# EAGLE board Mk4 Final a Panel score (EAGLE 9.0.1), part 11 of 24
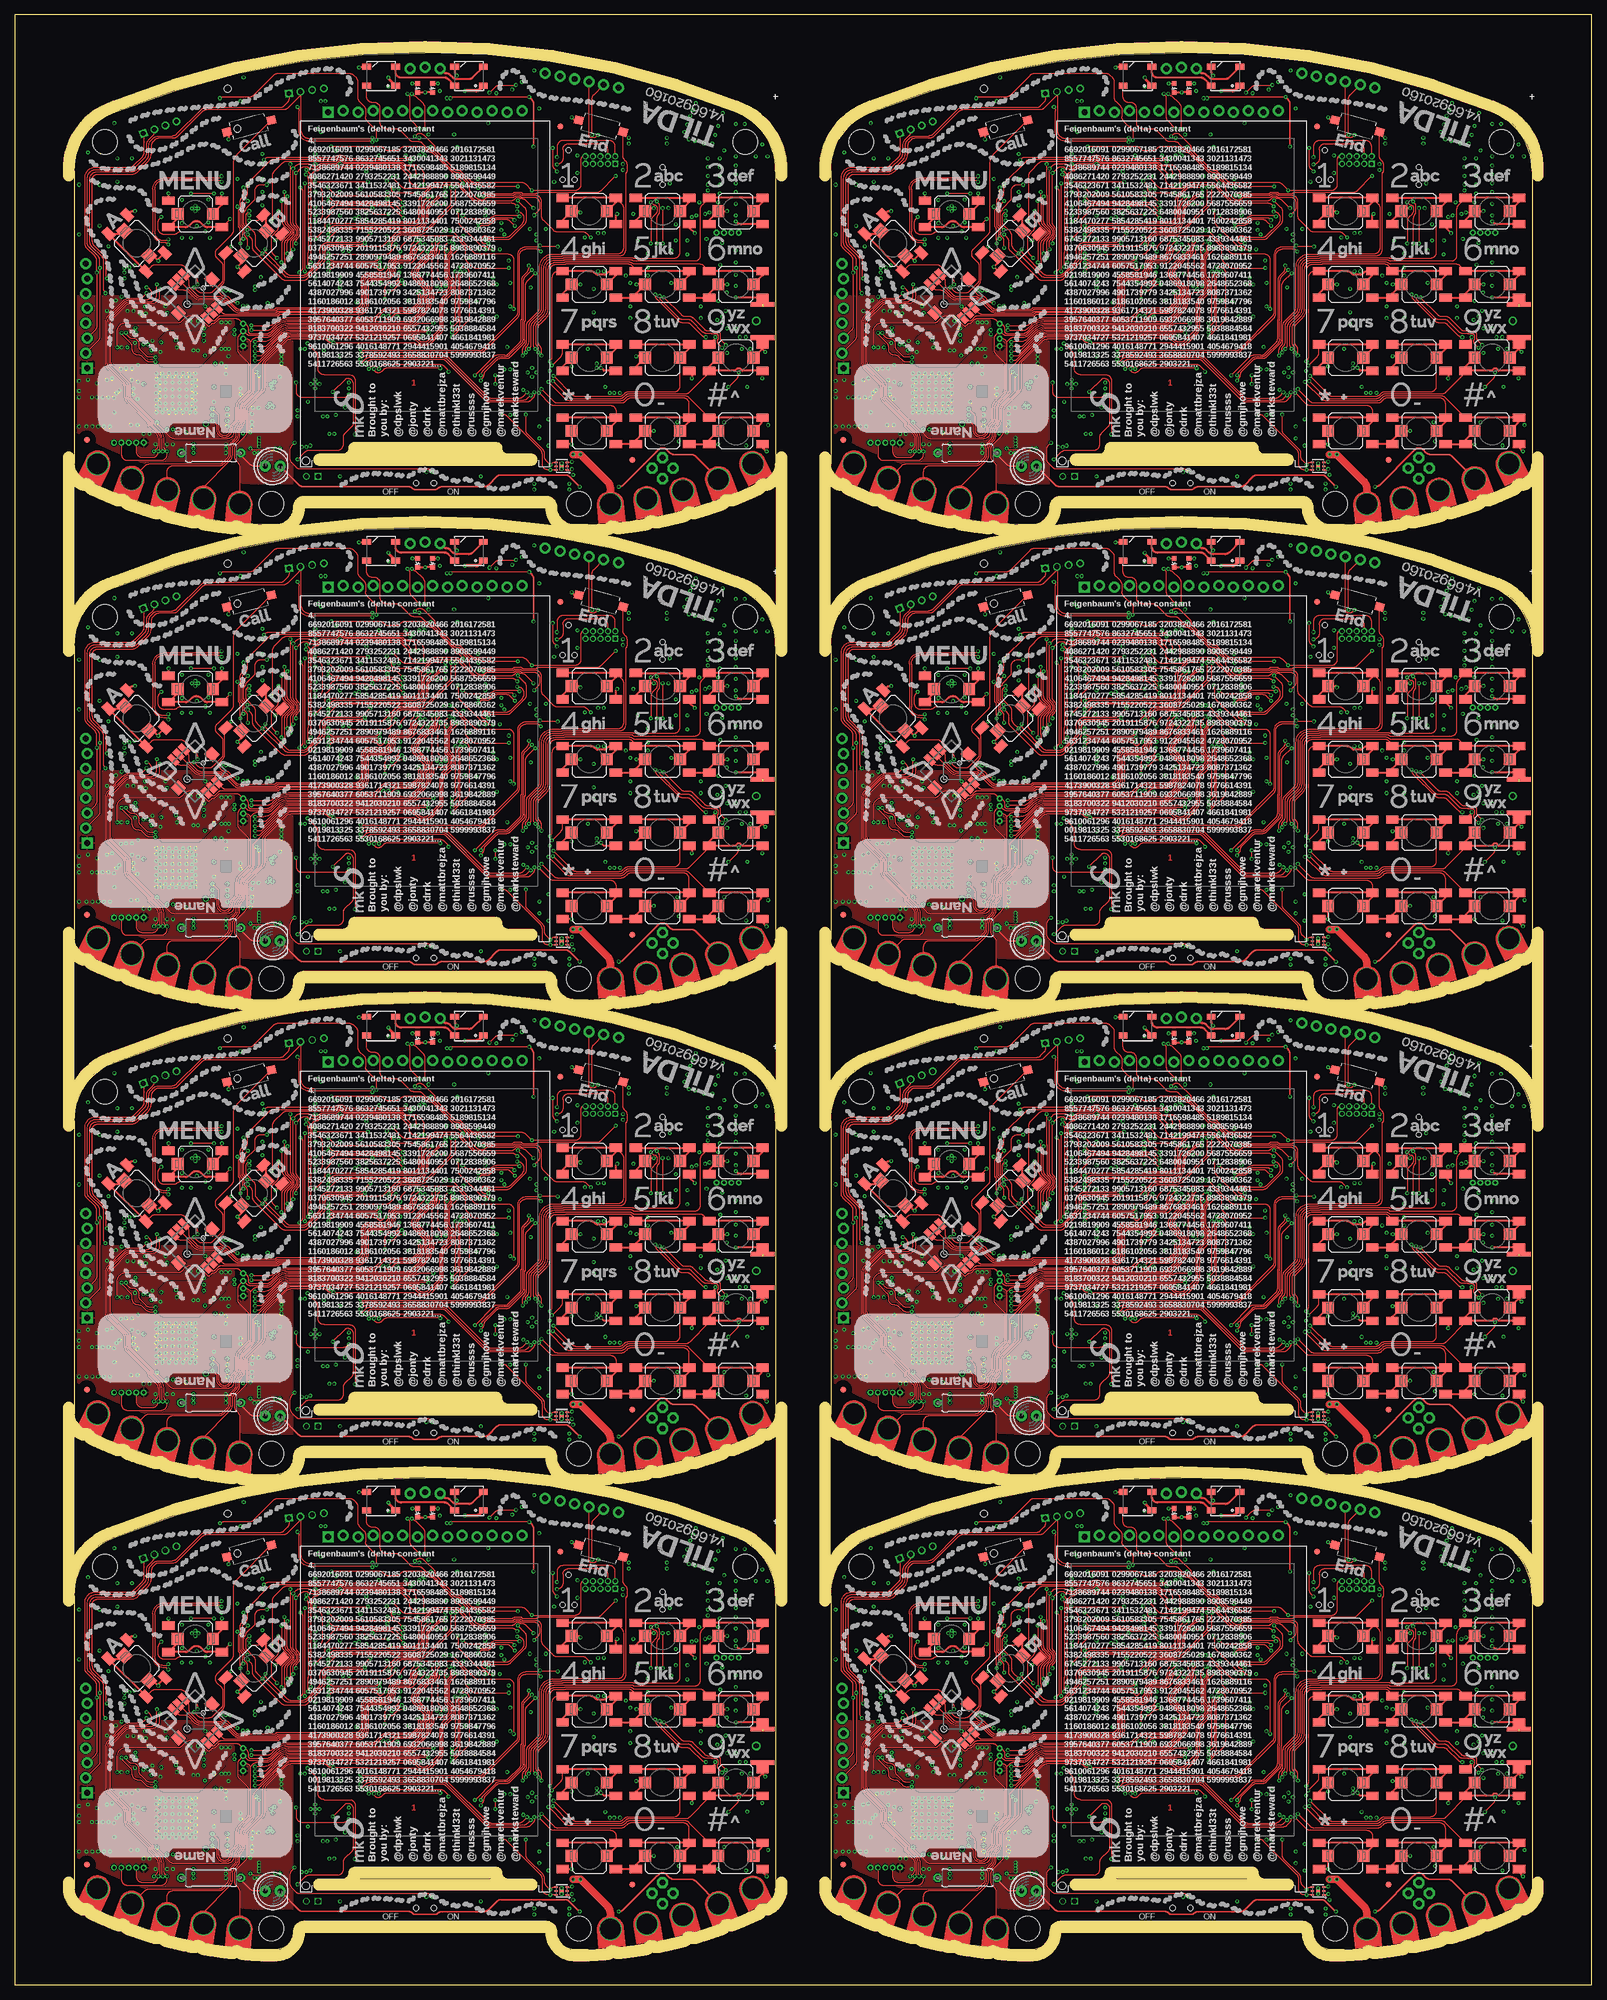
[diagram p0: board, top side]
## Tracks (layer width: path | path; a pad name or v marks a point on that pad's centre or on a via) (continued)
FLASH_PU5 (continued)
  Bottom 0.15: IC102.3 151,208.88 arc45 151.14,208.94 151.17,208.97 arc-45 151.31,209.03 151.51,209.03 arc-45 151.86,208.88 152.83,207.91 arc45 153.54,207.62 IC102.7
  Bottom 0.2: IC102.3 147.63,208.88 R456.2
FLASH_PU6
  Bottom 0.15: IC120.3 22,289.88 arc45 22.14,289.94 22.17,289.97 arc-45 22.31,290.02 22.51,290.02 arc-45 22.86,289.88 23.84,288.91 arc45 24.54,288.62 IC120.7
  Bottom 0.2: IC120.3 18.63,289.88 R534.2
FLASH_PU7
  Bottom 0.15: IC138.3 151,289.88 arc45 151.14,289.94 151.17,289.97 arc-45 151.31,290.02 151.51,290.02 arc-45 151.86,289.88 152.83,288.91 arc45 153.54,288.62 IC138.7
  Bottom 0.2: IC138.3 147.63,289.88 R612.2
GMS_ANT_L
  Bottom 0.4: L3.2 C73.2 D2.1 126.25,40.5 J4.ANT J7.1
GMS_ANT_L1
  Bottom 0.4: L13.2 C174.2 D4.1 255.25,40.5 J15.ANT J19.1
GMS_ANT_L2
  Bottom 0.4: L22.2 C282.2 D6.1 126.25,121.5 J25.ANT J29.1
GMS_ANT_L3
  Bottom 0.4: L31.2 C390.2 D8.1 255.25,121.5 J35.ANT J39.1
GMS_ANT_L4
  Bottom 0.4: L40.2 C498.2 D10.1 126.25,202.5 J45.ANT J49.1
GMS_ANT_L5
  Bottom 0.4: L49.2 C606.2 D12.1 255.25,202.5 J55.ANT J59.1
GMS_ANT_L6
  Bottom 0.4: L58.2 C714.2 D14.1 126.25,283.5 J65.ANT J69.1
GMS_ANT_L7
  Bottom 0.4: L67.2 C822.2 D16.1 255.25,283.5 J75.ANT J79.1
GND  (via drill 0.3)  (1 unrouted)
  Top 0.15: IC17.3 94.3,16.65 94.25,16.6 IC17.2 | v93.3,15.5 IC17.PAD v93.3,16.5
  Top 0.2: 94.3,16.65 94.95,16.65 v95.05,16.75
  Top 0.3: S8.1 105.95,32.95 S8.A1 | S7.A1 93.45,32.95 S7.1 v95,33 | S10.A1 93.45,20 93.7,19.75 v95,19.75 S10.1 | S12.1 118.45,20.45 S12.A1 | S9.1 127.55,36.05 S9.A1 | 118.45,57.5 118.45,57.95 S3.1 v121.5,59.5 | 118.45,57.5 S3.A1 | S2.A1 105.95,57.95 S2.1 108,60 v109,60 | S1.A1 93.45,57.95 S1.1 96.25,59.5 v96.5,59.25 | S4.A1 93.45,45.45 S4.1 v96.5,47 | 105.95,45 105.95,45.45 S5.1 v106.05,47 | 105.95,45 S5.A1 | S1.A2 102.55,58.8 v102.75,59 | 118.2,57.25 118.45,57.5 | S6.A2 v123,44.75 | v121.5,47 S6.1 118.45,45.45 S6.A1 S5.A2 | 102.5,32.3 S7.A2 100.5,32.25 v100,32.75 | S8.1 107,35 | S12.A2 127.5,19.75 127.5,19.25 v128.25,18.5 | S11.A2 S12.A1 | v109,22 S11.1 105.95,20.45 S11.A1 S10.A2 | S4.A2 105.7,44.75 105.95,45 | S17.1 95.49,75.01 v95,75.5 | LED3.C v70.03,79.75 LED4.C | LED1.3 59.95,84 v58.75,84 | S3.A2 123.91,57.25 arc-45 123.21,57.54 v123,57.75 | 25.61,52.39 S13.A1 24.5,51.27 v24.5,51 23.62,51.88 S13.1 | S13.A2 19.57,59.21 arc-45 20.28,59.5 v20.5,59.5 | S12.A1 v120,19.75 | S2.A2 115.05,56.7 v116,55.75 | S8.1 107.25,34.75 v106,34.75 | S8.A2 115.5,31.8 v115.5,31 | S14.A2 v26.25,62.5 | S14.1 35.35,60.55 S14.A1 v35.35,62.5 | S16.1 36.5,72.72 v36.5,71.75 | S15.A1 38.81,49.19 v38,50 38.68,50.68 S15.1 | v44.5,54.5 45.61,55.61 S15.A2 | LED2.3 75.05,83.36 arc45 75.34,82.66 v75.4,82.6 | S9.A2 119.5,37.8 v119.5,38 | S9.A1 127.55,35.95 v128,35.5 | S9.A1 127.53,36.77 J7.G@4
  Top 0.4: S6.A2 127.53,44.73 J7.G@3
  GND@3 0.4: v32.45,34.85 29.8,32.2 v29.8,31.85 | v27.5,37.5 26.75,36.75 26.75,32.6 v27.5,31.85 | v25,37.1 25.75,36.35 25.75,32.4 v26.3,31.85
  Bottom 0.15: J2.32 66.75,44.25 | J2.31 67.25,44 | J2.30 67.75,44 | J2.29 68.25,44 | J2.28 68.75,44 | J2.27 69.25,44 | J2.26 69.75,44 | J2.25 70.25,44 | J2.24 70.75,44 | J2.23 71.25,44 | J2.22 71.75,44 | J2.21 72.25,44 | J2.20 72.75,44 | J2.19 73.25,44 | J2.18 73.75,44 | J2.17 74.25,44 | J2.16 74.75,44 | J2.15 75.25,44 | J2.14 75.75,44 | J2.13 76.25,44 | J2.12 76.75,44 | J2.11 77.25,44 | IC1.58 v63.6,62.8 | IC1.55 v63.6,61.6 | IC7.3 85.05,80 v84.85,80.2 | ANT2.3 116.79,77.9 v116.15,77.9 | v115.7,76.75 115.8,76.65 115.94,76.65 115.84,76.75 v115.7,76.75 | ANT2.2 116.05,76.4 v115.7,76.75 | ANT2.4 120.28,76.2 v120.75,76.2 | IC15.PAD v28.1,29.1 | IC15.PAD v26.9,29.1 | IC15.PAD v26.9,27.9 | IC15.PAD v28.1,27.9 | v26.9,30.3 27.5,30.9 v27.5,31.85 | v26.3,31.85 26.3,30.9 v25.7,30.3 25.75,30.35 | v29.3,30.3 29.3,31.35 v29.8,31.85 | v85.5,24.75 C102.2 86,25.5 arc90 86.5,26 86.5,26.5 arc90 86,27 IC16.2 85.46,27 arc45 85.1,26.85 84.9,26.65 arc-45 84.54,26.5 IC16.4 | C104.2 94.45,16.5 | v111.25,72 C54.2 | C57.2 v111.25,71 | C55.2 v104.75,72 | C53.2 v104.75,71 | v28.55,61.4 28.25,61.7 R74.2
  Bottom 0.2: C13.1 72.6,49.85 IC1.10 | IC1.17 69.8,50.01 arc-45 69.65,49.65 C12.1 v69.5,48.75 | IC1.48 61.46,58.8 arc-45 C10.1 | IC1.114 78.74,58.4 arc45 79.44,58.69 C9.1 | IC1.80 69.8,68.05 69.97,68.22 | X4.4 17.88,27.43 17.7,27.6 v16.9,27.6 | X4.2 19.73,23.07 v19.8,23 | IC4.23 85.8,32.75 arc-45 85.66,32.81 85.25,33.22 arc-90 85.25,33.25 | 85.25,33.25 v85.25,33.5 | IC4.24 85.25,33.25 | IC4.18 87,29.25 v86.75,29 | IC4.9 v91.25,32.25 | IC8.17 50.5,27.5 v50,27 IC8.18 | J1.GND4 121,22.05 | 94.45,16.5 arc45 v95.05,16.75 | v35.3,63.5 C106.2 | IC11.4 91.97,63.73 C78.1
  Bottom 0.25: J2.50 57.75,43.45 v58.25,43.95 | J2.49 v58.25,43.95 | J2.48 58.75,43.45 v58.25,43.95 | J2.43 61.25,44 | J2.6 v79.75,41.5 | v72,46.75 72,47.62 C14.1 72.25,48.12 C13.1 | v60,59.1 C10.1 | v80.25,58.75 C9.1 | v70,69 C11.1 69.97,68.22 | C8.1 C16.1 v71,70.45 | v59,63.25 R3.2 | C15.1 69.05,70.25 v69.65,69.65 | v79.5,14.25 S19.1 | v55.5,14.25 S20.1 | C19.1 v66.7,69 | C18.1 v62.1,69 | v75.5,70.45 C17.1 | R71.2 v29.25,21.75 | v31.35,59.95 IC13.PAD v30.8,59.5 | C46.2 42.88,21.23 | v89.45,77 C5.1 | v72.5,80 C3.1
  Bottom 0.3: 81.45,80.3 v82.15,79.6 | v36,33 R70.2 | v18.25,36.25 C60.1 | v20.5,37 20.62,36.88 C86.2 | v100.5,49.25 C69.2 | v99.5,49.25 C66.2 | v100.5,55.75 C65.2 | C67.2 v99.5,55.75 | IC5.8 104.1,48.65 v104.25,48.5 | R40.2 v98.75,46.25 | R38.2 v98.75,40.25 | R39.2 v98.75,42.25 | IC5.13 106.1,54.65 v106.25,54.5 | IC5.21 114.9,54.65 v114.75,54.5 | Q1.2 98.65,36.15 R30.2 v97.75,36 | C78.1 v92,64.5 | v96,66 95.91,66.09 JP4.5 | C71.1 v103.75,67.5 | IC12.7 97.19,55.81 R55.1 v97.25,55 | v105.5,59 C50.1 | v109,60 108.5,59.5 C49.1 | C48.1 v111.5,60 | J1.GND3 115.21,32.06 arc-45 115.5,31.36 v115.5,31 | 127.38,34.5 J1.GND2 127.5,34.59 arc-45 127.79,35.29 v128,35.5 | 128.17,32 J1.C4 127.79,31.74 arc45 127.5,31.04 v127.5,31 | v128.5,23 128.38,23 J1.GND1 | v113.25,20.25 R59.2 114.92,20.25 Q2.2 | C51.1 v124.75,19.5 | J1.C5 120.85,23.65 v121,23.5 121,22.05 | v113,23.5 113.23,23.27 114.25,23.27 J1.GND6 | C2.1 v80.25,53 | C7.1 v83,56.25 | C6.1 v83,57.5 | Q8.4 Q8.EP2 | C28.1 v55.5,48.25 | IC2.28 41.07,48.25 v42,48.25 | C24.1 v38,60.25 | IC2.46 42.2,62.7 v42.25,62.75 | C27.1 v38,65 | IC2.54 41.89,69.1 arc45 v42.25,69.25 | IC2.52 v42.25,67.5 | C26.1 v54.75,69.75 | C22.1 v55.5,67.5 | IC2.6 51.4,65.1 v51.25,65.25 | C23.1 v55.5,62.75 | C25.1 v55.5,58.75 | R15.1 v57,29.25 | R17.2 v57,30.25 | R19.2 52.15,35.5 arc45 v52.75,35.75 | v36,46 C42.1 | v36.75,46 36.75,45.5 C42.1 | v35.25,46 35.25,45.5 C42.1 | IC2.12 51.3,60.3 v51.25,60.25 | R63.2 v19.25,42.45 | R64.2 v20.25,42.45 | R51.2 v89,54.5 | v30.05,54.95 C58.2 | v112.75,54.5 112.7,54.55 IC5.19 112.7,57.2 v112.75,57.25 | R61.2 39.95,21.5 v40.2,21.75 | IC4.25 v87.5,32 | v70.6,72.55 70.67,72.55 X2.4 | X2.2 74.83,72.55 v74.95,72.55 | v86.5,81.5 C20.1 | v88.6,83.5 R7.2
  Bottom 0.3: C4.1 v80.75,74.5 | C70.1 v87.9,56.45 | J10.8 J10.4 | J8.8 J8.4 | IC2.41 40.05,58.7 v40,58.75 | J1.GND5 121.11,34.91 v121.5,35.3 120.94,35.3 arc-45 120.23,35.59 IC10.3 | IC5.33 117.3,40.95 v117,41.25 | v121.45,45.6 C72.1 | v120.7,40.5 D2.2 | v120.7,41.5 C73.1 | v15.75,30.75 C76.1 | v12.5,30.75 C77.1 | 36.55,36.8 C87.2 35.95,36.8 | IC3.2 v94.6,13 | C107.2 v88.6,12 | IC3.3 v94.6,12 | v117,43.25 117.1,43.15 IC5.31
  Bottom 0.35: v36.55,36 36.55,36.8 | v35.95,36 35.95,36.8
  Bottom 0.4: C89.2 32.1,34.5 v32.45,34.85 | v35.25,33.5 C61.2 | v36,31.75 C95.2 | C84.2 32.12,39.62 v32.25,39.5 | C84.2 v31.25,40.75 | v30,40.75 C85.2 C84.2 | C90.2 26.9,36.9 v27.5,37.5 27.4,37.4 | C88.2 v25,37.1 | v23.5,37.4 24.1,36.8 C44.2 | v38.5,28.25 C100.1 | v38.5,29.25 C101.1 | v36.25,24.75 C96.2 | C92.2 v34,27 | C59.1 v25.75,43.25 | C98.1 v20.95,27.5 | C94.2 v20.25,28.25 | C62.2 v20.25,29.25 | C99.1 v20.95,23 | R62.2 v22,21.5 | R65.2 v23,21.5 | R72.2 v24,19.75 | C97.2 v27,19.75 | C91.2 v26,19.75 | v36.5,34.75 C93.2 35.4,35.64 arc45 v35.25,36 | IC14.4 19.12,48.16 arc45 v18.75,48 | v36.25,22.75 R25.2 | v83.5,32.5 C21.1 | v48.25,24.5 48.85,24.5 C40.2 48.85,25.5 v48.25,25.5 | S18.2 69.4,15 v70.25,15 | Q8.EP2 84.4,43.35 v84.5,43.25 | v84.5,47.25 v84.5,47.24 IC6.4 | 46.75,34.75 C41.2 46.38,34.25 v45.5,34.25 | 46.62,35 v45.5,35 | C36.2 45.6,33.4 v45.5,33.5 | v45.25,31.25 45.25,30.32 C39.1 | 11,27.6 v11,27.75 ANT1.4 | ANT1.3 v11,22.75 | ANT1.2 12.25,23.7 v12.25,22.75 | C43.1 v36,19 | C43.1 35.5,19.75 v36,19.75 | C43.1 35.5,18.25 v36,18.25 | J9.4 38.94,77.81 v38.5,78.25 | C1.2 63.88,80.62 v63.75,80.75 | IC18.3 97.26,14.15 arc-45 96.56,14.44 C108.2 95.68,14.68 arc-45 v95.25,14.5 | TP17.TP 41.75,26.1 v41.6,25.95
  Bottom 0.5: v22.35,42.05 22.35,41.5 C63.2 21.35,41.5 v21.35,42.05
  Bottom 1: J5.1 91.05,20.8 C34.2 | C34.2 89.6,20.85 v89.5,20.75 | C34.2 v91,19.5 | v56.35,26 C35.2 54.65,24.85 v54.75,24.75
  other vias: 67.25,44.25 76.75,44.25 60.9,47.15 30.8,60.4 30.25,59.95 120.7,54.1 120.35,50.35 120,74 119.5,72.5 119,71 117.5,71 116,71.5 115,71.75 114.25,73 114.75,74.25 115.25,75.75 25.7,29.1 25.7,27.9 25.7,26.7 26.9,26.7 28.1,26.7 29.3,26.7 29.3,27.9 29.3,29.1 28.1,30.3 21,33.25 21,30.35 17,25.2 16.25,22.75 15.25,22.75 14.25,22.75 13.25,22.75 16,27.75 15,27.75 14,27.75 13.2,27.75 89,32 88.25,32.75 88.25,31.25 99.25,33.5 99.25,32.75 124,36 123,46.75 123,48.65 123,50.75 123,52.75 123,58.75 123,60.75 123,62.75 123,67.25 123,68.85 126.4,68.85 128.4,68.85 51.25,30 52,30 51.25,30.75 51.25,29.25 50.5,30 33.3,54.95 28.55,54.95 28.55,57.45 33.05,57.55 33.05,61.45 41.7,20.85 41.7,20.35 41.7,19.35 41.7,19.85 40.9,18.25 41.6,18.25 40.6,25.95 40.5,24.95 40.5,22.75 40.5,23.55 24.75,29.1 24.75,27.9 24.75,26.7 24.75,30.3 30.25,29.1 30.25,27.9 30.25,26.7 30.25,30.3 25.7,25.75 26.9,25.75 28.1,25.75 29.3,25.75 25.7,31.25 26.9,31.25 28.1,31.25 29.3,31.25 30.25,25.75 30.25,31.25 24.75,31.25 24.75,25.75 28.7,31.85 25.2,31.85 24.15,31.85 24.15,30.8 27.5,25.15 28.7,25.15 29.9,25.15 26.3,25.15 25.2,25.15 30.85,28.45 30.85,27.25 30.85,26.05 30.85,29.65 24.15,28.5 24.15,27.3 24.15,26.2 24.15,29.7 30.85,30.75 30.85,31.85 30.85,25.15 24.15,25.15 124.7,38 123.7,38 125.5,36 120,44.2 14.5,64 14.5,57 17.5,64.5 17.5,68.5 20,68.5 17,74.5 12.5,69.5 11,64 11,55.5 16,53.5 17.25,44.25 11,30.5 108,41.25 105,41.25 105,43.25 105,47.25 112,47.25 114.7,52.1 112,52.75 118,54.75 121.5,39.5 121.25,42.5 123,64.25 123,65.75 121,69.85 123,74.35 127.5,70.85 124.5,74.35 119.85,40.95 123,39.5 16.6,30.95 17.35,28.45 17.85,28.95 20,30.7 19,32.7 20,32.7 18.1,32.6 120.25,68.5 118.25,68.5 120.25,67 118.25,67 120.25,65.5 118.25,65.5 120.25,64 118.25,64 120.25,62.5 118.25,63 116.75,61 116.25,58.75 115.5,58.5 117.75,59 118.5,59.25 120,61 15.75,42.5 14,30.15 11,28.85 108,52.25 108,48.5 108,49.9
  pour GND@3 (isolate 0.254, rank 6): 10.2,68.5 10.2,15 arc31 42,6 44.7,6 arc90 47.5,8.8 arc-90 49.5,10.8 90.5,10.8 arc-90 92.5,8.8 arc90 95.3,6 98,6 arc31 129.8,15 129.8,38.5 123.5,38.5 123.5,68.5 129.8,68.5 arc64 123.25,76.25 arc24 70,86.5 arc24 16.75,76.25 arc55
  pour Bottom (rank 6): 77.25,42.9 77.25,44.25 77,44.5 67,44.5 66.75,44.25 66.75,42.9
  pour Bottom (isolate 0.254, rank 6): 10.2,68.5 10.2,22 arc9 21,17 21,29 23,29 23,35 21,35 21,37 arc90 20,38 19,38 arc-90 18,39 18,59.71 arc-90 30.79,72.5 38.5,72.5 42,76 100.5,75.5 arc-90 103,73 103,38.5 114.09,38.5 arc-45 114.79,38.21 117.21,35.79 arc45 117.91,35.5 129.8,35.5 129.8,38.5 123.5,38.5 123.5,68.5 129.8,68.5 arc64 123.25,76.25 arc24 70,86.5 arc24 16.75,76.25 arc55
  pour Bottom (rank 2, no thermals): 111.5,39 113,39 113,36.5 112.41,36.5 arc45 111.71,36.21 111.29,35.79 arc45 111,35.09 111,33 arc-90 110,32 99.5,32 arc-90 98.5,33 arc-90 99.5,34 107.75,34 arc90 108.75,35 108.75,35.09 arc-45 109.04,35.79 109.71,36.46 arc-45 110.41,36.75 110.59,36.75 arc45 111.29,37.04 111.5,37.25
  pour Bottom (no thermals): 61.5,45.5 61.5,44.2 61.3,44 61.2,44 61,44.2 61,45.25 60.5,45.75 60.5,47.3 60.7,47.5 61.05,47.5 61.25,47.3 61.25,45.75
  pour Bottom: 33.55,54.95 33.55,60.95 arc90 32.55,61.95 29.05,61.95 arc90 28.05,60.95 28.05,54.95 arc90 29.05,53.95 32.55,53.95 arc90
  pour Bottom (no thermals): 47.4,33 47.4,34.1 47.2,34.3 47.2,35.05 47,35.25 45.75,35.25 45.25,34.75 45.25,33.25 45.5,33
  pour Bottom (no thermals): 41.9,20.8 41.9,18.3 arc-90 41.4,17.8 40.45,17.8 arc-90 39.95,18.3 39.95,25.65 arc-90 40.45,26.15 41.55,26.15 arc-90 42.05,25.65 42.05,22.1 arc90 42.55,21.6 43.8,21.6 43.85,21.55 43.85,20.9 43.75,20.8
  pour Top (rank 6): 10.2,45 10.2,22 arc34 47,13 47.5,13 47.5,45
GND1  (via drill 0.3)  (1 unrouted)
  Top 0.15: IC34.3 223.3,16.65 223.25,16.6 IC34.2 | v222.3,15.5 IC34.PAD v222.3,16.5
  Top 0.2: 223.3,16.65 223.95,16.65 v224.05,16.75
  Top 0.3: S28.1 234.95,32.95 S28.A1 | S24.A1 222.45,32.95 S24.1 v224,33 | S25.A1 222.45,20 222.7,19.75 v224,19.75 S25.1 | S33.1 247.45,20.45 S33.A1 | S32.1 256.55,36.05 S32.A1 | 247.45,57.5 247.45,57.95 S30.1 v250.5,59.5 | 247.45,57.5 S30.A1 | S26.A1 234.95,57.95 S26.1 237,60 v238,60 | S21.A1 222.45,57.95 S21.1 225.25,59.5 v225.5,59.25 | S23.A1 222.45,45.45 S23.1 v225.5,47 | 234.95,45 234.95,45.45 S27.1 v235.05,47 | 234.95,45 S27.A1 | S21.A2 231.55,58.8 v231.75,59 | 247.2,57.25 247.45,57.5 | S31.A2 v252,44.75 | v250.5,47 S31.1 247.45,45.45 S31.A1 S27.A2 | 231.5,32.3 S24.A2 229.5,32.25 v229,32.75 | S28.1 236,35 | S33.A2 256.5,19.75 256.5,19.25 v257.25,18.5 | S29.A2 S33.A1 | v238,22 S29.1 234.95,20.45 S29.A1 S25.A2 | S23.A2 234.7,44.75 234.95,45 | S38.1 224.49,75.01 v224,75.5 | LED9.C v199.03,79.75 LED10.C | LED7.3 188.95,84 v187.75,84 | S30.A2 252.91,57.25 arc-45 252.21,57.54 v252,57.75 | 154.61,52.39 S35.A1 153.5,51.27 v153.5,51 152.62,51.88 S35.1 | S35.A2 148.57,59.21 arc-45 149.28,59.5 v149.5,59.5 | S33.A1 v249,19.75 | S26.A2 244.05,56.7 v245,55.75 | S28.1 236.25,34.75 v235,34.75 | S28.A2 244.5,31.8 v244.5,31 | S36.A2 v155.25,62.5 | S36.1 164.35,60.55 S36.A1 v164.35,62.5 | S37.1 165.5,72.72 v165.5,71.75 | S34.A1 167.81,49.19 v167,50 167.68,50.68 S34.1 | v173.5,54.5 174.61,55.61 S34.A2 | LED8.3 204.05,83.36 arc45 204.34,82.66 v204.4,82.6 | S32.A2 248.5,37.8 v248.5,38 | S32.A1 256.55,35.95 v257,35.5 | S32.A1 256.53,36.77 J19.G@4
  Top 0.4: S31.A2 256.53,44.73 J19.G@3
  GND@3 0.4: v161.45,34.85 158.8,32.2 v158.8,31.85 | v156.5,37.5 155.75,36.75 155.75,32.6 v156.5,31.85 | v154,37.1 154.75,36.35 154.75,32.4 v155.3,31.85
  Bottom 0.15: J6.32 195.75,44.25 | J6.31 196.25,44 | J6.30 196.75,44 | J6.29 197.25,44 | J6.28 197.75,44 | J6.27 198.25,44 | J6.26 198.75,44 | J6.25 199.25,44 | J6.24 199.75,44 | J6.23 200.25,44 | J6.22 200.75,44 | J6.21 201.25,44 | J6.20 201.75,44 | J6.19 202.25,44 | J6.18 202.75,44 | J6.17 203.25,44 | J6.16 203.75,44 | J6.15 204.25,44 | J6.14 204.75,44 | J6.13 205.25,44 | J6.12 205.75,44 | J6.11 206.25,44 | IC20.58 v192.6,62.8 | IC20.55 v192.6,61.6 | IC23.3 214.05,80 v213.85,80.2 | ANT4.3 245.79,77.9 v245.15,77.9 | v244.7,76.75 244.8,76.65 244.94,76.65 244.84,76.75 v244.7,76.75 | ANT4.2 245.05,76.4 v244.7,76.75 | ANT4.4 249.28,76.2 v249.75,76.2 | IC29.PAD v157.1,29.1 | IC29.PAD v155.9,29.1 | IC29.PAD v155.9,27.9 | IC29.PAD v157.1,27.9 | v155.9,30.3 156.5,30.9 v156.5,31.85 | v155.3,31.85 155.3,30.9 v154.7,30.3 154.75,30.35 | v158.3,30.3 158.3,31.35 v158.8,31.85 | v214.5,24.75 C210.2 215,25.5 arc90 215.5,26 215.5,26.5 arc90 215,27 IC32.2 214.46,27 arc45 214.1,26.85 213.9,26.65 arc-45 213.54,26.5 IC32.4 | C212.2 223.45,16.5 | v240.25,72 C161.2 | C164.2 v240.25,71 | C162.2 v233.75,72 | C160.2 v233.75,71 | v157.55,61.4 157.25,61.7 R155.2
  Bottom 0.2: C123.1 201.6,49.85 IC20.10 | IC20.17 198.8,50.01 arc-45 198.65,49.65 C122.1 v198.5,48.75 | IC20.48 190.46,58.8 arc-45 C120.1 | IC20.114 207.74,58.4 arc45 208.44,58.69 C119.1 | IC20.80 198.8,68.05 198.97,68.22 | X8.4 146.88,27.43 146.7,27.6 v145.9,27.6 | X8.2 148.72,23.07 v148.8,23 | IC31.23 214.8,32.75 arc-45 214.66,32.81 214.25,33.22 arc-90 214.25,33.25 | 214.25,33.25 v214.25,33.5 | IC31.24 214.25,33.25 | IC31.18 216,29.25 v215.75,29 | IC31.9 v220.25,32.25 | IC24.17 179.5,27.5 v179,27 IC24.18 | J14.GND4 250,22.05 | 223.45,16.5 arc45 v224.05,16.75 | v164.3,63.5 C214.2 | IC26.4 220.97,63.73 C179.1
  Bottom 0.25: J6.50 186.75,43.45 v187.25,43.95 | J6.49 v187.25,43.95 | J6.48 187.75,43.45 v187.25,43.95 | J6.43 190.25,44 | J6.6 v208.75,41.5 | v201,46.75 201,47.62 C124.1 201.25,48.12 C123.1 | v189,59.1 C120.1 | v209.25,58.75 C119.1 | v199,69 C121.1 198.97,68.22 | C118.1 C126.1 v200,70.45 | v188,63.25 R87.2 | C125.1 198.05,70.25 v198.65,69.65 | v208.5,14.25 S40.1 | v184.5,14.25 S41.1 | C129.1 v195.7,69 | C128.1 v191.1,69 | v204.5,70.45 C127.1 | R149.2 v158.25,21.75 | v160.35,59.95 IC28.PAD v159.8,59.5 | C144.2 171.88,21.23 | v218.45,77 C115.1 | v201.5,80 C113.1
  Bottom 0.3: 210.45,80.3 v211.15,79.6 | v165,33 R148.2 | v147.25,36.25 C187.1 | v149.5,37 149.62,36.88 C192.2 | v229.5,49.25 C170.2 | v228.5,49.25 C167.2 | v229.5,55.75 C166.2 | C168.2 v228.5,55.75 | IC21.8 233.1,48.65 v233.25,48.5 | R122.2 v227.75,46.25 | R114.2 v227.75,40.25 | R121.2 v227.75,42.25 | IC21.13 235.1,54.65 v235.25,54.5 | IC21.21 243.9,54.65 v243.75,54.5 | Q6.2 227.65,36.15 R112.2 v226.75,36 | C179.1 v221,64.5 | v225,66 224.91,66.09 JP10.5 | C172.1 v232.75,67.5 | IC27.7 226.19,55.81 R133.1 v226.25,55 | v234.5,59 C157.1 | v238,60 237.5,59.5 C156.1 | C155.1 v240.5,60 | J14.GND3 244.21,32.06 arc-45 244.5,31.36 v244.5,31 | 256.38,34.5 J14.GND2 256.5,34.59 arc-45 256.79,35.29 v257,35.5 | 257.17,32 J14.C4 256.79,31.74 arc45 256.5,31.04 v256.5,31 | v257.5,23 257.38,23 J14.GND1 | v242.25,20.25 R137.2 243.93,20.25 Q5.2 | C158.1 v253.75,19.5 | J14.C5 249.85,23.65 v250,23.5 250,22.05 | v242,23.5 242.23,23.27 243.25,23.27 J14.GND6 | C112.1 v209.25,53 | C117.1 v212,56.25 | C116.1 v212,57.5 | Q4.4 Q4.EP2 | C138.1 v184.5,48.25 | IC19.28 170.07,48.25 v171,48.25 | C134.1 v167,60.25 | IC19.46 171.2,62.7 v171.25,62.75 | C137.1 v167,65 | IC19.54 170.89,69.1 arc45 v171.25,69.25 | IC19.52 v171.25,67.5 | C136.1 v183.75,69.75 | C132.1 v184.5,67.5 | IC19.6 180.4,65.1 v180.25,65.25 | C133.1 v184.5,62.75 | C135.1 v184.5,58.75 | R97.1 v186,29.25 | R99.2 v186,30.25 | R101.2 181.15,35.5 arc45 v181.75,35.75 | v165,46 C153.1 | v165.75,46 165.75,45.5 C153.1 | v164.25,46 164.25,45.5 C153.1 | IC19.12 180.3,60.3 v180.25,60.25 | R141.2 v148.25,42.45 | R142.2 v149.25,42.45 | R129.2 v218,54.5 | v159.05,54.95 C185.2 | v241.75,54.5 241.7,54.55 IC21.19 241.7,57.2 v241.75,57.25 | R139.2 168.95,21.5 v169.2,21.75
  Bottom 0.3: IC31.25 v216.5,32 | v199.6,72.55 199.68,72.55 X6.4 | X6.2 203.82,72.55 v203.95,72.55 | v215.5,81.5 C130.1 | v217.6,83.5 R91.2 | C114.1 v209.75,74.5 | C171.1 v216.9,56.45 | J16.8 J16.4 | J18.8 J18.4 | IC19.41 169.05,58.7 v169,58.75 | J14.GND5 250.11,34.91 v250.5,35.3 249.94,35.3 arc-45 249.23,35.59 IC25.3 | IC21.33 246.3,40.95 v246,41.25 | v250.45,45.6 C173.1 | v249.7,40.5 D4.2 | v249.7,41.5 C174.1 | v144.75,30.75 C177.1 | v141.5,30.75 C178.1 | 165.55,36.8 C195.2 164.95,36.8 | IC35.2 v223.6,13 | C215.2 v217.6,12 | IC35.3 v223.6,12 | v246,43.25 246.1,43.15 IC21.31
  Bottom 0.35: v165.55,36 165.55,36.8 | v164.95,36 164.95,36.8
  Bottom 0.4: C197.2 161.1,34.5 v161.45,34.85 | v164.25,33.5 C191.2 | v165,31.75 C203.2 | C193.2 161.12,39.62 v161.25,39.5 | C193.2 v160.25,40.75 | v159,40.75 C194.2 C193.2 | C198.2 155.9,36.9 v156.5,37.5 156.4,37.4 | C196.2 v154,37.1 | v152.5,37.4 153.1,36.8 C190.2 | v167.5,28.25 C208.1 | v167.5,29.25 C209.1 | v165.25,24.75 C204.2 | C200.2 v163,27 | C186.1 v154.75,43.25 | C206.1 v149.95,27.5 | C202.2 v149.25,28.25 | C188.2 v149.25,29.25 | C207.1 v149.95,23 | R140.2 v151,21.5 | R143.2 v152,21.5 | R150.2 v153,19.75 | C205.2 v156,19.75 | C199.2 v155,19.75 | v165.5,34.75 C201.2 164.4,35.64 arc45 v164.25,36 | IC30.4 148.12,48.16 arc45 v147.75,48 | v165.25,22.75 R107.2 | v212.5,32.5 C131.1 | v177.25,24.5 177.85,24.5 C151.2 177.85,25.5 v177.25,25.5 | S39.2 198.4,15 v199.25,15 | Q4.EP2 213.4,43.35 v213.5,43.25 | v213.5,47.25 v213.5,47.24 IC22.4 | 175.75,34.75 C152.2 175.38,34.25 v174.5,34.25 | 175.62,35 v174.5,35 | C148.2 174.6,33.4 v174.5,33.5 | v174.25,31.25 174.25,30.32 C149.1 | 140,27.6 v140,27.75 ANT3.4 | ANT3.3 v140,22.75 | ANT3.2 141.25,23.7 v141.25,22.75 | C154.1 v165,19 | C154.1 164.5,19.75 v165,19.75 | C154.1 164.5,18.25 v165,18.25 | J17.4 167.94,77.81 v167.5,78.25 | C111.2 192.88,80.62 v192.75,80.75 | IC36.3 226.26,14.15 arc-45 225.56,14.44 C216.2 224.68,14.68 arc-45 v224.25,14.5 | TP36.TP 170.75,26.1 v170.6,25.95
  Bottom 0.5: v151.35,42.05 151.35,41.5 C189.2 150.35,41.5 v150.35,42.05
  Bottom 1: J12.1 220.05,20.8 C146.2 | C146.2 218.6,20.85 v218.5,20.75 | C146.2 v220,19.5 | v185.35,26 C147.2 183.65,24.85 v183.75,24.75
  other vias: 196.25,44.25 205.75,44.25 189.9,47.15 159.8,60.4 159.25,59.95 249.7,54.1 249.35,50.35 249,74 248.5,72.5 248,71 246.5,71 245,71.5 244,71.75 243.25,73 243.75,74.25 244.25,75.75 154.7,29.1 154.7,27.9 154.7,26.7 155.9,26.7 157.1,26.7 158.3,26.7 158.3,27.9 158.3,29.1 157.1,30.3 150,33.25 150,30.35 146,25.2 145.25,22.75 144.25,22.75 143.25,22.75 142.25,22.75 145,27.75 144,27.75 143,27.75 142.2,27.75 218,32 217.25,32.75 217.25,31.25 228.25,33.5 228.25,32.75 253,36 252,46.75 252,48.65 252,50.75 252,52.75 252,58.75 252,60.75 252,62.75 252,67.25 252,68.85 255.4,68.85 257.4,68.85 180.25,30 181,30 180.25,30.75 180.25,29.25 179.5,30 162.3,54.95 157.55,54.95 157.55,57.45 162.05,57.55 162.05,61.45 170.7,20.85 170.7,20.35 170.7,19.35 170.7,19.85 169.9,18.25 170.6,18.25 169.6,25.95 169.5,24.95 169.5,22.75 169.5,23.55 153.75,29.1 153.75,27.9 153.75,26.7 153.75,30.3 159.25,29.1 159.25,27.9 159.25,26.7 159.25,30.3 154.7,25.75 155.9,25.75 157.1,25.75 158.3,25.75 154.7,31.25 155.9,31.25 157.1,31.25 158.3,31.25 159.25,25.75 159.25,31.25 153.75,31.25 153.75,25.75 157.7,31.85 154.2,31.85 153.15,31.85 153.15,30.8 156.5,25.15 157.7,25.15 158.9,25.15 155.3,25.15 154.2,25.15 159.85,28.45 159.85,27.25 159.85,26.05 159.85,29.65 153.15,28.5 153.15,27.3 153.15,26.2 153.15,29.7 159.85,30.75 159.85,31.85 159.85,25.15 153.15,25.15 253.7,38 252.7,38 254.5,36 249,44.2 143.5,64 143.5,57 146.5,64.5 146.5,68.5 149,68.5 146,74.5 141.5,69.5 140,64 140,55.5 145,53.5 146.25,44.25 140,30.5 237,41.25 234,41.25 234,43.25 234,47.25 241,47.25 243.7,52.1 241,52.75 247,54.75 250.5,39.5 250.25,42.5 252,64.25 252,65.75 250,69.85 252,74.35 256.5,70.85 253.5,74.35 248.85,40.95 252,39.5 145.6,30.95 146.35,28.45 146.85,28.95 149,30.7 148,32.7 149,32.7 147.1,32.6 249.25,68.5 247.25,68.5 249.25,67 247.25,67 249.25,65.5 247.25,65.5 249.25,64 247.25,64 249.25,62.5 247.25,63 245.75,61 245.25,58.75 244.5,58.5 246.75,59 247.5,59.25 249,61 144.75,42.5 143,30.15 140,28.85 237,52.25 237,48.5 237,49.9
  pour GND@3 (isolate 0.254, rank 6): 139.2,68.5 139.2,15 arc31 171,6 173.7,6 arc90 176.5,8.8 arc-90 178.5,10.8 219.5,10.8 arc-90 221.5,8.8 arc90 224.3,6 227,6 arc31 258.8,15 258.8,38.5 252.5,38.5 252.5,68.5 258.8,68.5 arc64 252.25,76.25 arc24 199,86.5 arc24 145.75,76.25 arc55
  pour Bottom (rank 6): 206.25,42.9 206.25,44.25 206,44.5 196,44.5 195.75,44.25 195.75,42.9
  pour Bottom (isolate 0.254, rank 6): 139.2,68.5 139.2,22 arc9 150,17 150,29 152,29 152,35 150,35 150,37 arc90 149,38 148,38 arc-90 147,39 147,59.71 arc-90 159.79,72.5 167.5,72.5 171,76 229.5,75.5 arc-90 232,73 232,38.5 243.09,38.5 arc-45 243.79,38.21 246.21,35.79 arc45 246.91,35.5 258.8,35.5 258.8,38.5 252.5,38.5 252.5,68.5 258.8,68.5 arc64 252.25,76.25 arc24 199,86.5 arc24 145.75,76.25 arc55
  pour Bottom (rank 2, no thermals): 240.5,39 242,39 242,36.5 241.41,36.5 arc45 240.71,36.21 240.29,35.79 arc45 240,35.09 240,33 arc-90 239,32 228.5,32 arc-90 227.5,33 arc-90 228.5,34 236.75,34 arc90 237.75,35 237.75,35.09 arc-45 238.04,35.79 238.71,36.46 arc-45 239.41,36.75 239.59,36.75 arc45 240.29,37.04 240.5,37.25
  pour Bottom (no thermals): 190.5,45.5 190.5,44.2 190.3,44 190.2,44 190,44.2 190,45.25 189.5,45.75 189.5,47.3 189.7,47.5 190.05,47.5 190.25,47.3 190.25,45.75
  pour Bottom: 162.55,54.95 162.55,60.95 arc90 161.55,61.95 158.05,61.95 arc90 157.05,60.95 157.05,54.95 arc90 158.05,53.95 161.55,53.95 arc90
  pour Bottom (no thermals): 176.4,33 176.4,34.1 176.2,34.3 176.2,35.05 176,35.25 174.75,35.25 174.25,34.75 174.25,33.25 174.5,33
  pour Bottom (no thermals): 170.9,20.8 170.9,18.3 arc-90 170.4,17.8 169.45,17.8 arc-90 168.95,18.3 168.95,25.65 arc-90 169.45,26.15 170.55,26.15 arc-90 171.05,25.65 171.05,22.1 arc90 171.55,21.6 172.8,21.6 172.85,21.55 172.85,20.9 172.75,20.8
  pour Top (rank 6): 139.2,45 139.2,22 arc34 176,13 176.5,13 176.5,45
GND2  (via drill 0.3)  (1 unrouted)
  Top 0.15: IC52.3 94.3,97.65 94.25,97.6 IC52.2 | v93.3,96.5 IC52.PAD v93.3,97.5
  Top 0.2: 94.3,97.65 94.95,97.65 v95.05,97.75
  Top 0.3: S49.1 105.95,113.95 S49.A1 | S45.A1 93.45,113.95 S45.1 v95,114 | S46.A1 93.45,101 93.7,100.75 v95,100.75 S46.1 | S54.1 118.45,101.45 S54.A1 | S53.1 127.55,117.05 S53.A1 | 118.45,138.5 118.45,138.95 S51.1 v121.5,140.5 | 118.45,138.5 S51.A1 | S47.A1 105.95,138.95 S47.1 108,141 v109,141 | S43.A1 93.45,138.95 S43.1 96.25,140.5 v96.5,140.25 | S44.A1 93.45,126.45 S44.1 v96.5,128 | 105.95,126 105.95,126.45 S48.1 v106.05,128 | 105.95,126 S48.A1 | S43.A2 102.55,139.8 v102.75,140 | 118.2,138.25 118.45,138.5 | S52.A2 v123,125.75 | v121.5,128 S52.1 118.45,126.45 S52.A1 S48.A2 | 102.5,113.3 S45.A2 100.5,113.25 v100,113.75 | S49.1 107,116 | S54.A2 127.5,100.75 127.5,100.25 v128.25,99.5 | S50.A2 S54.A1 | v109,103 S50.1 105.95,101.45 S50.A1 S46.A2 | S44.A2 105.7,125.75 105.95,126 | S59.1 95.49,156.01 v95,156.5 | LED15.C v70.03,160.75 LED16.C | LED13.3 59.95,165 v58.75,165 | S51.A2 123.91,138.25 arc-45 123.21,138.54 v123,138.75 | 25.61,133.39 S56.A1 24.5,132.26 v24.5,132 23.62,132.88 S56.1 | S56.A2 19.57,140.21 arc-45 20.28,140.5 v20.5,140.5 | S54.A1 v120,100.75 | S47.A2 115.05,137.7 v116,136.75 | S49.1 107.25,115.75 v106,115.75 | S49.A2 115.5,112.8 v115.5,112 | S57.A2 v26.25,143.5 | S57.1 35.35,141.55 S57.A1 v35.35,143.5 | S58.1 36.5,153.72 v36.5,152.75 | S55.A1 38.81,130.19 v38,131 38.68,131.68 S55.1 | v44.5,135.5 45.61,136.61 S55.A2 | LED14.3 75.05,164.36 arc45 75.34,163.66 v75.4,163.6 | S53.A2 119.5,118.8 v119.5,119 | S53.A1 127.55,116.95 v128,116.5 | S53.A1 127.53,117.77 J29.G@4